# Altium PCB SEG_pressure gauge_don  V2.3.PcbDoc (part 1 of 4)
Units mil, origin at the board's own origin, x right, y up, seen from the top; angles counter-clockwise.
Board outline 2755.91 x 2755.91 mil, 2 copper layers (Top Layer, Bottom Layer); 36 components, 44 nets, 129 pads, 10 vias.
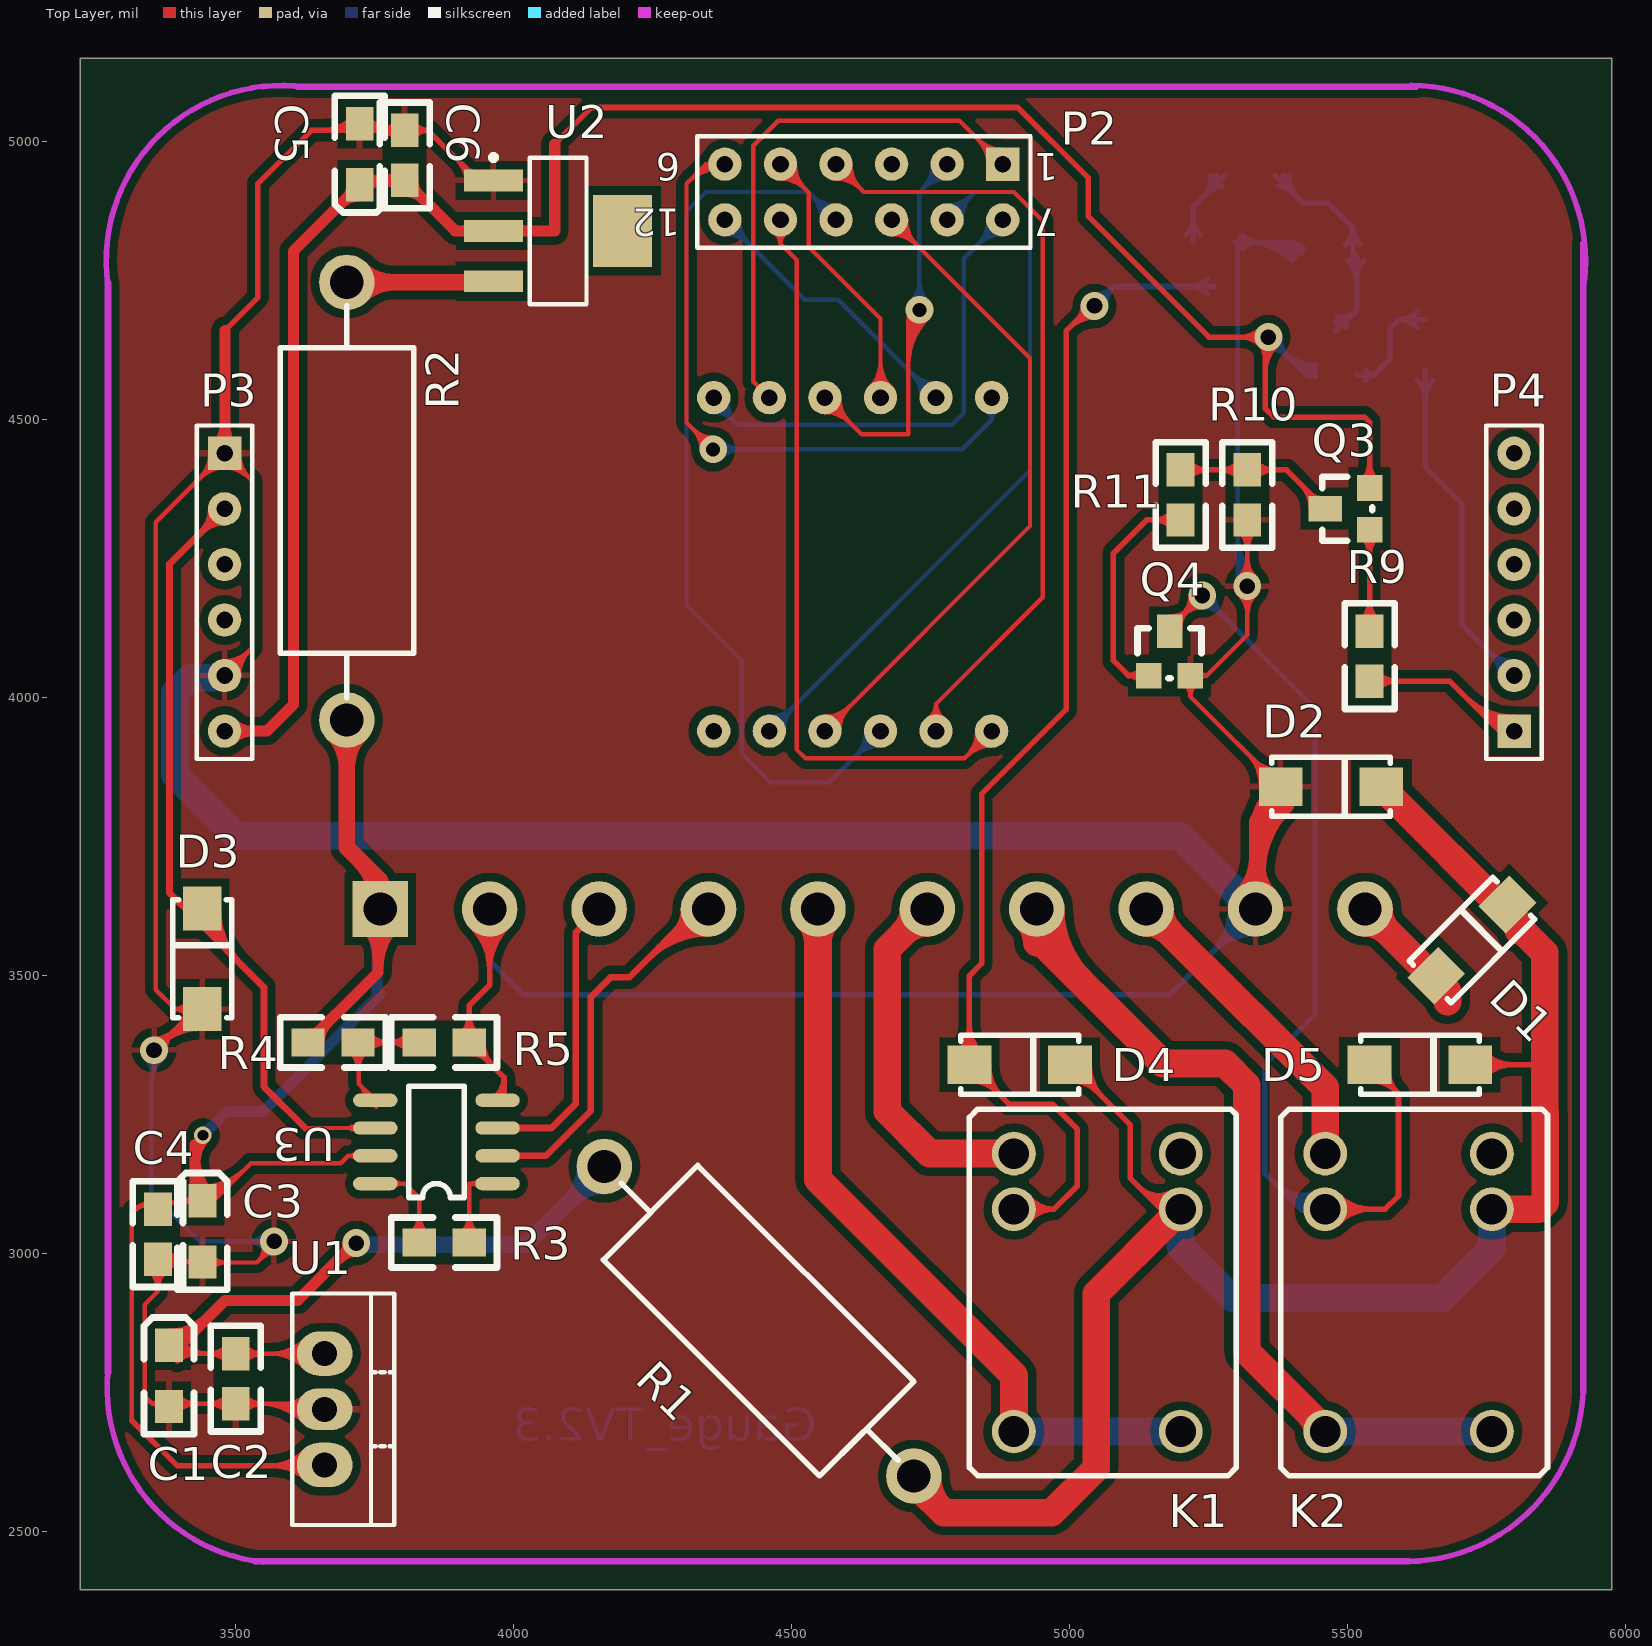
[diagram p0: Top Layer view]
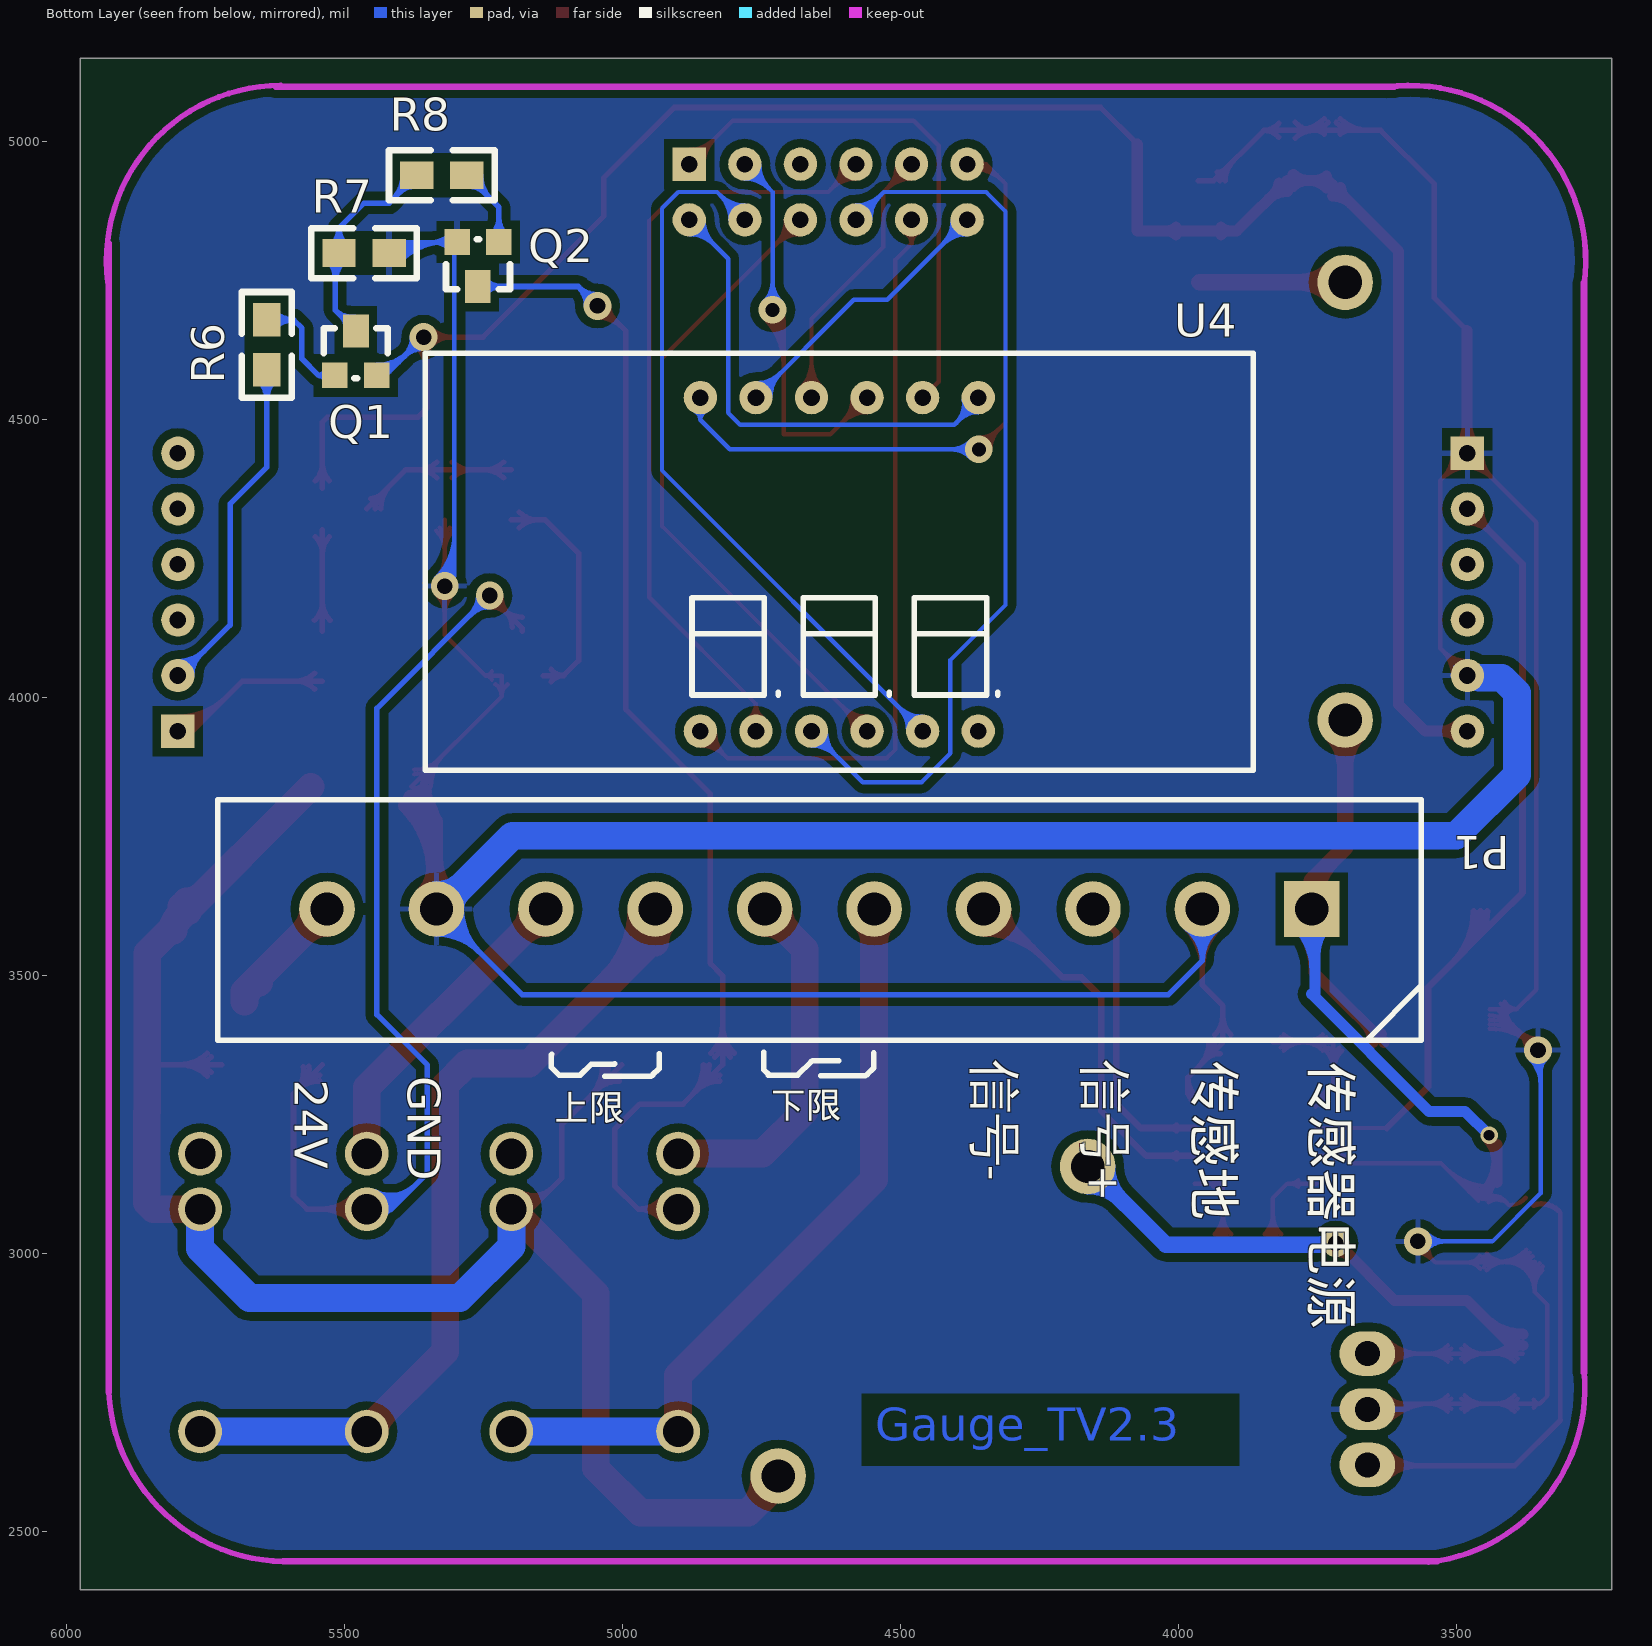
[diagram p1: Bottom Layer view, seen from below]
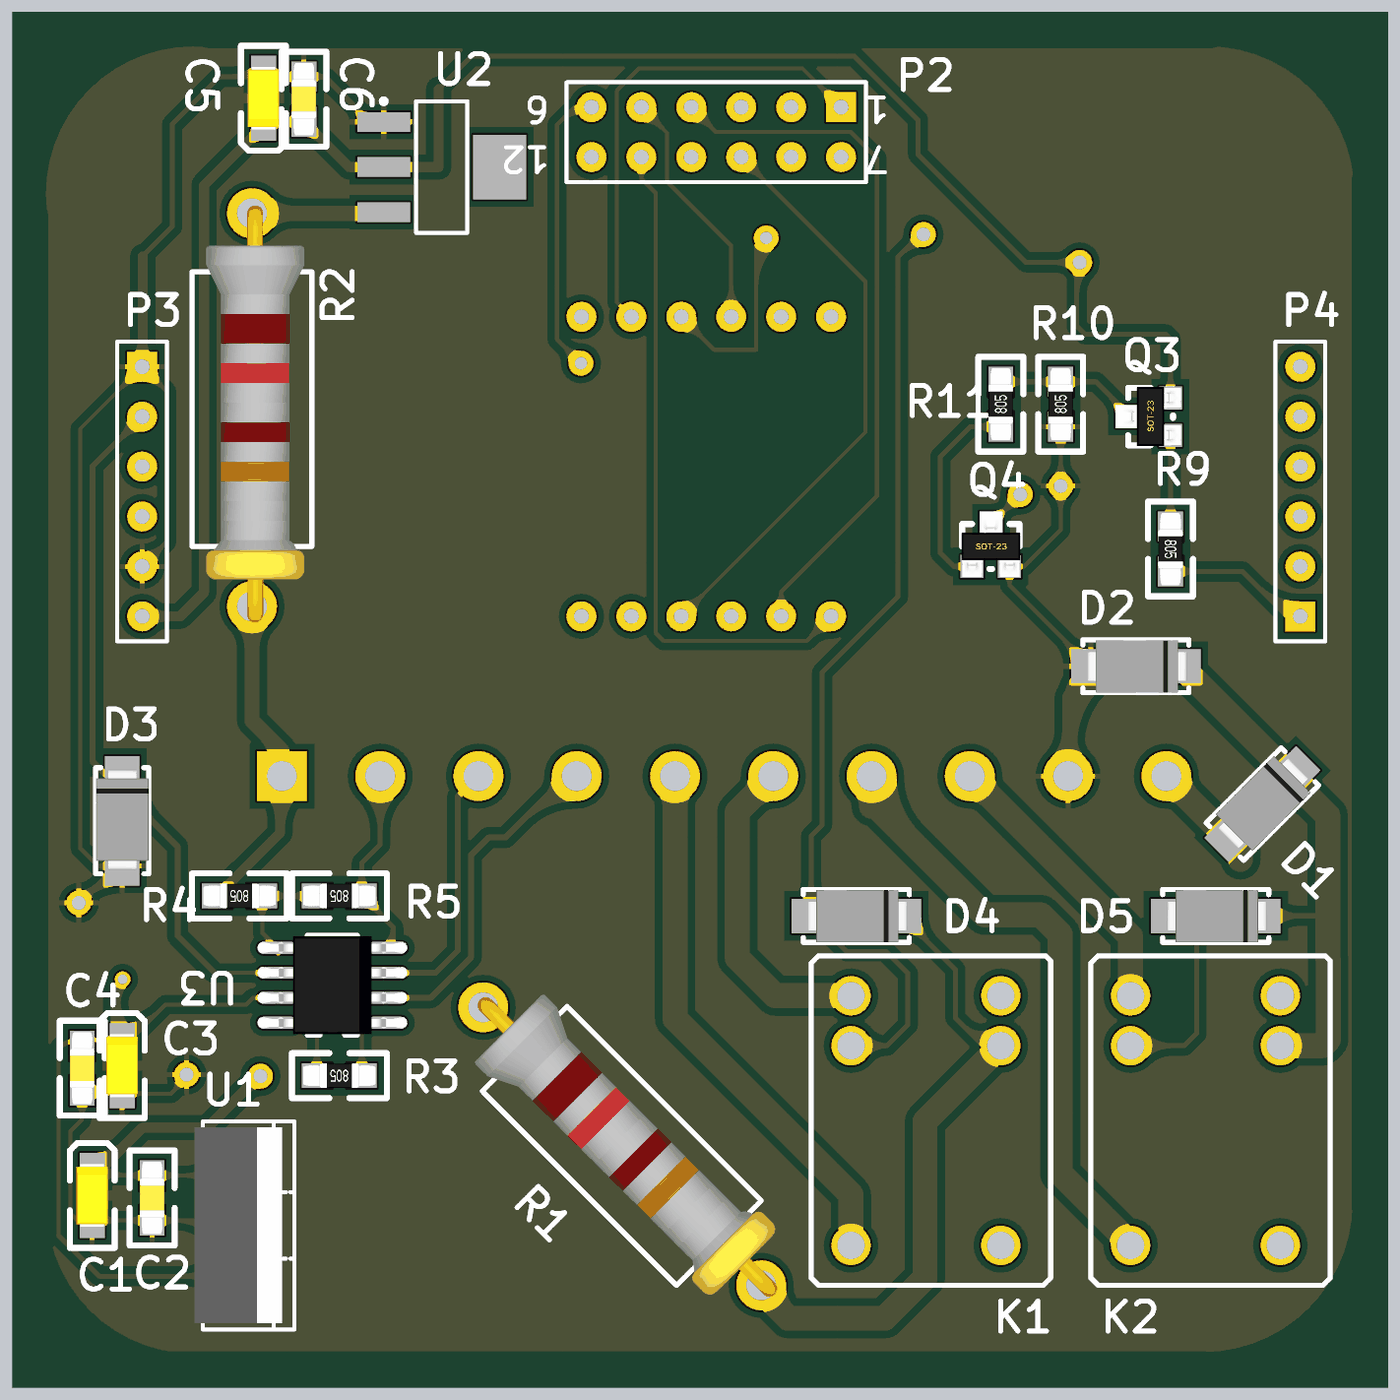
[diagram p5: 3D render of the assembled board from above, using the file's embedded part models]
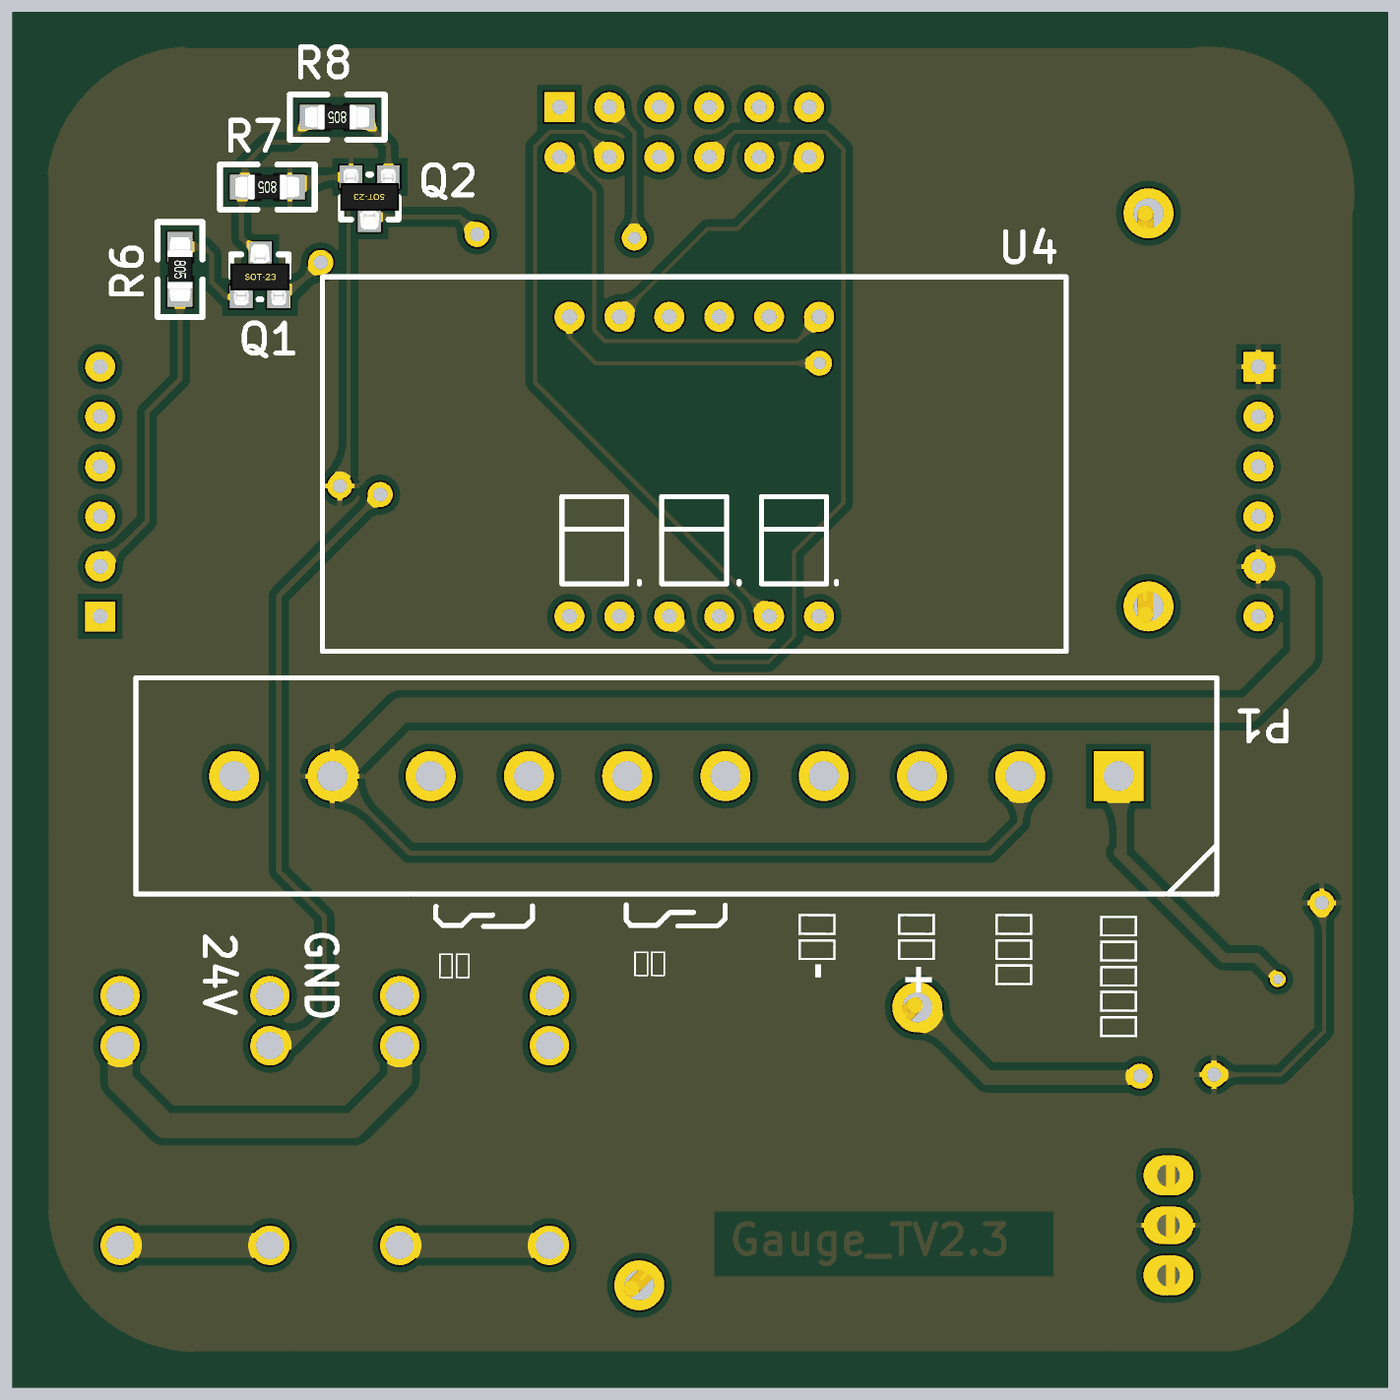
[diagram p6: 3D render of the assembled board from below, using the file's embedded part models]

## Layer stack, top to bottom
Top Layer: signal copper 1.4
Dielectric: core 12.6, FR-4, Dk 4.8
Bottom Layer: signal copper 1.4

## Board outline
3220,2395 5975.91,2395 5975.91,5150.91 3220,5150.91

## Design rules (kind name [scope] priority, off if disabled: settings)
Clearance [All] p1: gap=15
PolygonConnect [All] p1: connectstyle=Relief reliefconductorwidth=10 reliefentries=4 polygonreliefangle="90 Angle"
RoutingVias [All] p1: holewidth=25 width=50 viastyle="Through Hole" minholewidth=20 minwidth=50 maxholewidth=28 maxwidth=150
SilkscreenOverComponentPads [All] p1: minsilkscreentomaskgap=10
SolderMaskExpansion [All] p1: expansion=4
Width [All] p1: maxlimit=50 minlimit=6 preferedwidth=8
27 further rules are at their usual default settings.

## Components (designator, comment, footprint, x,y, rotation, side; value= is the part's Value field where it differs from the comment)
C1 "10uf" 3216 3380,2780 r90 top
C2 "100nf" 0805_C_Y 3500,2820 r270 top
C3 "10uf" 3216 3440,3040 r90 top
C4 "100nf" 0805_C_Y 3360,3080 r270 top
C5 "10uf" 3216 3723,4978 r270 top
C6 "100nf" 0805_C_Y 3804,4931 r90 top
D1 "Diode 1N4007" DO-214 5660,3500 r45 top
D2 "Diode 1N5402" DO-214 5380,3840 r0 top
D3 "Diode 1N5402" DO-214 3440,3440 r90 top
D4 "Diode 1N5402" DO-214 4820,3340 r0 top
D5 "Diode 1N5402" DO-214 5540,3340 r0 top
K1 "Relay" HK4100F-DC24V-SHG?? 4900,3180 r270 top
K2 "Relay" HK4100F-DC24V-SHG?? 5460,3180 r270 top
P1 "Header 10H" HDR1X10H 3760,3620 r0 bottom
P2 "Header 6X2*2.54" HDR2X6_CEN 4880,4960 r180 top locked
P3 "Header 6" HDR1X6 3480,4440 r270 top locked
P4 "Header 6" HDR1X6 5800,3940 r90 top locked
Q1 "8550" SOT-23_Y 5480,4620 r180 bottom
Q2 "S8050" SOT-23_Y 5260,4780 r0 bottom
Q3 "8550" SOT-23_Y 5500,4340 r90 top
Q4 "S8050" SOT-23_Y 5180,4080 r0 top
R1 "56/2W" "PCBComponent_1 - duplicate" 4720,2600 r135 top
R2 "56/2W" "PCBComponent_1 - duplicate" 3700,3960 r90 top
R3 "10k" 0805_R_Y 3920,3020 r180 top
R4 "10k" 0805_R_Y 3720,3380 r180 top
R5 "1k" 0805_R_Y 3920,3380 r180 top
R6 "470" 0805_R_Y 5640,4680 r270 bottom
R7 "10k" 0805_R_Y 5420,4800 r0 bottom
R8 "10k" 0805_R_Y 5280,4940 r0 bottom
R9 "470" 0805_R_Y 5540,4120 r270 top
R10 "10k" 0805_R_Y 5320,4320 r90 top
R11 "10k" 0805_R_Y 5200,4320 r90 top
U1 "MC7812CT" TO-220 3660,2720 r270 top
U2 "LM1117MP-3.3" MP04A_M 4080,4840 r0 top
U3 "AD620AR" SO-8_Y 3971,3126 r180 top
U4 "3位共阳极数码管" 3位数码管0.56 4860,3940 r180 bottom locked

## Footprints (in the part's own frame and the unit in brackets; to place one, negate y for a bottom-side part, rotate by r counter-clockwise, add the part's x,y. Pads: shape width x height; smd on the part's side, far side on the other; paste and mask are expansions set on the pad)
3位数码管0.56 [mil]
  round 60 hole 30: 1(0,600) 2(300,600) 3(400,600) 6(500,0) a(100,600) b(500,600) c(300,0) d(100,0) dot(200,0) e(0,0) f(200,600) g(400,0)
  silkscreen extent -495,-70 995,680
0805_C_Y [mil] "0805贴片电容（已加焊）"
  rect 60x50 smd: 1(0,0) 2(90,0)
  silkscreen extent -50,-45 140,45, body extent -27,-25 117,25, height 14
0805_R_Y [mil] "0805贴片电阻（已加焊）"
  rect 60x50 smd: 1(0,0) 2(90,0)
  silkscreen extent -50,-45 140,45, body extent -27,-25 117,25, height 14
3216 [mil]
  rect 60x50 smd: 1(55,0) 2(-55,0)
  silkscreen extent -105,-45 105,45, body extent -63,-31 63,31, height 63
DO-214 [mm]
  rect 2x1.75 smd: 1(0,0) 2(4.6,0)
  silkscreen extent -0.4,-1.35 5,1.35, body extent -1.07,-3.44 5.78,3.42, height 2.12
HDR1X6 [mil] "Connector; Header; 6 Position"
  rect 60x60 hole 30: 1(0,0)
  round 60 hole 30: 2(100,0) 3(200,0) 4(300,0) 5(400,0) 6(500,0)
  silkscreen extent -50,-50 550,50
HDR1X10H [mil] "Connector; Header; 10 Position; Right Angle"
  rect 100x100 hole 60: 1(0,0)
  round 100 hole 60: 2(196.85,0) 3(393.7,0) 4(590.55,0) 5(787.4,0) 6(984.25,0) 7(1181.1,0) 8(1377.95,0) 9(1574.8,0) 10(1771.65,0)
  silkscreen extent -197,-197 1969,236
HDR2X6_CEN [mil] "Connector; Header; 6x2 Position"
  rect 60x60 hole 30: 1(0,0)
  round 60 hole 30: 2(100,0) 3(200,0) 4(300,0) 5(400,0) 6(500,0) 7(0,100) 8(100,100) 9(200,100) 10(300,100) 11(400,100) 12(500,100)
  silkscreen extent -50,-50 550,150
HK4100F-DC24V-SHG?? [mm]
  round 2 hole 1.4: 1(12.7,7.62) 1(12.7,0) 2(0,7.62) 3(0,0) 4(2.54,7.62) 5(2.54,0)
  silkscreen extent -2.03,-2.03 14.73,10.16
MP04A_M [mm] "SOT223, 4-Leads, Body 6.5x3.5mm, Pitch 2.3mm, Lead Span 7mm, IPC Low Density"
  rect 2.7x1 smd: 1(-2.95,2.3) 2(-2.95,0) 3(-2.95,-2.3)
  rect 2.7x3.3 smd: 4(2.95,0)
  silkscreen extent -3.07,-3.35 1.3,3.47, body extent -1.85,-3.35 1.85,3.35, height 1.8
"PCBComponent_1 - duplicate" [mil]
  round 100 hole 60: 1(0,0) 2(787.4,0)
  silkscreen extent 40,-120 745,120, body extent -39,-435 817,421, height 208
SO-8_Y [mil] "AD780AR（已加焊）"
  oval 80x24 smd: 1(0,0) 2(0,-50) 3(0,-100) 4(0,-150) 5(220,-150) 6(220,-100) 7(220,-50) 8(220,0)
  silkscreen extent 60,-175 160,25, body extent -40,-174 260,23, height 69
SOT-23_Y [mil] "IMP809T（已加焊）"
  rect 46x46 smd: 1(-37.5,-40) 2(37.5,-40)
  rect 46x60 smd: 3(0.5,40)
  silkscreen extent -58,-45 58,45, body extent -60,-63 61,70, height 39
TO-220 [mil]
  oval 80x100 hole 45: 1(-100,0) 3(100,0)
  oval 75x100 hole 45: 2(0,0)
  silkscreen extent -208,-58 208,125, body extent -196,-75 196,100, height 730

## Part data
C1 C3 C5: library part "Cap Pol2", "Polarized Capacitor (Axial)"
C2 C4 C6: library part Cap, "Capacitor"
D1: "1 Amp General Purpose Rectifier"
D2 D3 D4 D5: "3 Amp General Purpose Rectifier"
K1 K2: "SPDT Relay"
P1: "Header, 10-Pin, Right Angle"
P2: library part "Header 6X2A", "Header, 6-Pin, Dual row"
P3 P4: "Header, 6-Pin"
Q1 Q3: library part 2N3906, "PNP General Purpose Amplifier"
Q2 Q4: library part 2N3904, "NPN General Purpose Amplifier"
R1 R2 R3 R4 R5 R6 R7 R8 R9 R10 R11: library part Res2, "Resistor"
U1: "Three-Terminal Positive Voltage Regulator"
U2: "800mA Low-Dropout Linear Regulator"
U3: "Low-Cost, Low-Power Instrumentation Amplifier"

## Via types
v1: diameter 50, hole 28, Top Layer to Bottom Layer, 7 vias
v2: diameter 50, hole 25, Top Layer to Bottom Layer, 2 vias
v3: diameter 31.5, hole 19.68, Top Layer to Bottom Layer, 1 vias

## Nets (pads, with @x,y where several pads share a name; then routed paths per layer and width w, separated by ;. In a path a pad name is that pad's centre, name@x,y a point inside that pad or via, vN(x,y) a via of type N, cw(c..) or ccw(c..) an arc to the next point about the centre after c; other vN are vias at no path point)
3.3V: C5.1 C6.1 P3.6 Q1.2 Q3.2 U2.2 | length 6969.2
  Top Layer w10: 4074,4996 4140,5062 4907,5062 5034,4935 5034,4866 5251,4649 v1@5352,4649 ; v1@5366,4649 v1(5358,4649) v1@5352,4649 ; Q3.2@5540,4377.5 5540,4496 5531,4505 5368,4505 5352,4521 v1@5352,4649 ; 5309.72,4649 cw(c5309.72,4600.72) v1@5343.86,4634.86 ; 5309.72,4649 ccw(c5309.72,4697.28) v1@5343.86,4663.14 ; 5309.72,4649 cw(c5309.72,4600.72) v1@5343.86,4634.86 ; 5309.72,4649 ccw(c5309.72,4697.28) v1@5343.86,4663.14 ; 5309.72,4649 ccw(c5309.72,4697.28) v1@5343.86,4663.14 ; 5309.72,4649 cw(c5309.72,4600.72) v1@5343.86,4634.86 ; v1@5343.86,4634.86 cw(c5324.2,4615.2) 5352,4615.2 ; v1@5343.86,4634.86 cw(c5324.2,4615.2) 5352,4615.2 ; v1@5343.86,4634.86 cw(c5324.2,4615.2) 5352,4615.2 ; 5352,4586.23 cw(c5420.77,4586.23) v1@5372.14,4634.86 ; 5352,4586.23 cw(c5420.77,4586.23) v1@5372.14,4634.86 ; 5352,4586.23 cw(c5420.77,4586.23) v1@5372.14,4634.86 ; 5352,4610.37 cw(c5396.63,4610.37) v1@5365.07,4641.93 ; 5352,4610.37 cw(c5396.63,4610.37) v1@5365.07,4641.93 ; 5352,4610.37 cw(c5396.63,4610.37) v1@5365.07,4641.93 ; Q3.2@5527.27,4390.23 ccw(c5496.54,4420.96) 5540,4420.96 ; Q3.2@5527.27,4390.23 ccw(c5496.54,4420.96) 5540,4420.96 ; Q3.2@5527.27,4390.23 ccw(c5496.54,4420.96) 5540,4420.96 ; 5540,4420.96 ccw(c5583.46,4420.96) Q3.2@5552.73,4390.23 ; 5540,4420.96 ccw(c5583.46,4420.96) Q3.2@5552.73,4390.23 ; 5540,4420.96 ccw(c5583.46,4420.96) Q3.2@5552.73,4390.23
  Top Layer w20: P3.6@3480,3940 3556,3940 3604,3988 3604,4804 C5.1@3723,4923 3731,4931 C6.1@3804,4931 3895,4840 U2.2@3963.86,4840 4074,4840 4074,4996 ; P3.6@3494.14,3925.86 cw(c3528.28,3891.72) 3528.28,3940 ; P3.6@3494.14,3925.86 cw(c3528.28,3891.72) 3528.28,3940 ; P3.6@3494.14,3925.86 cw(c3528.28,3891.72) 3528.28,3940 ; P3.6@3494.14,3925.86 cw(c3528.28,3891.72) 3528.28,3940 ; P3.6@3494.14,3925.86 cw(c3528.28,3891.72) 3528.28,3940 ; P3.6@3494.14,3954.14 ccw(c3528.28,3988.28) 3528.28,3940 ; P3.6@3494.14,3954.14 ccw(c3528.28,3988.28) 3528.28,3940 ; P3.6@3494.14,3954.14 ccw(c3528.28,3988.28) 3528.28,3940 ; P3.6@3494.14,3954.14 ccw(c3528.28,3988.28) 3528.28,3940 ; P3.6@3494.14,3954.14 ccw(c3528.28,3988.28) 3528.28,3940 ; 3688.86,4888.86 cw(c3723,4854.72) C5.1@3723,4903 ; 3688.86,4888.86 cw(c3723,4854.72) C5.1@3723,4903 ; 3688.86,4888.86 cw(c3723,4854.72) C5.1@3723,4903 ; 3688.86,4888.86 cw(c3723,4854.72) C5.1@3723,4903 ; 3688.86,4888.86 cw(c3723,4854.72) C5.1@3723,4903 ; C5.1@3700.93,4900.93 ccw(c3683.86,4918) C5.1@3708,4918 ; C5.1@3700.93,4900.93 ccw(c3683.86,4918) C5.1@3708,4918 ; C5.1@3700.93,4900.93 ccw(c3683.86,4918) C5.1@3708,4918 ; C5.1@3700.93,4900.93 ccw(c3683.86,4918) C5.1@3708,4918 ; C5.1@3700.93,4900.93 ccw(c3683.86,4918) C5.1@3708,4918 ; C5.1@3733.61,4917.39 cw(c3766.46,4884.54) 3766.46,4931 ; C5.1@3733.61,4917.39 cw(c3766.46,4884.54) 3766.46,4931 ; C5.1@3733.61,4917.39 cw(c3766.46,4884.54) 3766.46,4931 ; C5.1@3733.61,4917.39 cw(c3766.46,4884.54) 3766.46,4931 ; C5.1@3733.61,4917.39 cw(c3766.46,4884.54) 3766.46,4931 ; C5.1@3733.61,4938.61 ccw(c3751.97,4956.97) 3751.97,4931 ; C5.1@3733.61,4938.61 ccw(c3751.97,4956.97) 3751.97,4931 ; C5.1@3733.61,4938.61 ccw(c3751.97,4956.97) 3751.97,4931 ; C5.1@3733.61,4938.61 ccw(c3751.97,4956.97) 3751.97,4931 ; C5.1@3733.61,4938.61 ccw(c3751.97,4956.97) 3751.97,4931 ; 3767.79,4931 cw(c3767.79,4894.79) C6.1@3793.39,4920.39 ; 3767.79,4931 ccw(c3767.79,4967.21) C6.1@3793.39,4941.61 ; 3767.79,4931 cw(c3767.79,4894.79) C6.1@3793.39,4920.39 ; 3767.79,4931 ccw(c3767.79,4967.21) C6.1@3793.39,4941.61 ; 3767.79,4931 cw(c3767.79,4894.79) C6.1@3793.39,4920.39 ; 3767.79,4931 ccw(c3767.79,4967.21) C6.1@3793.39,4941.61 ; 3767.79,4931 ccw(c3767.79,4967.21) C6.1@3793.39,4941.61 ; 3767.79,4931 cw(c3767.79,4894.79) C6.1@3793.39,4920.39 ; 3767.79,4931 ccw(c3767.79,4967.21) C6.1@3793.39,4941.61 ; 3767.79,4931 cw(c3767.79,4894.79) C6.1@3793.39,4920.39 ; C6.1@3804,4911 cw(c3804,4862.72) 3838.14,4896.86 ; C6.1@3804,4911 cw(c3804,4862.72) 3838.14,4896.86 ; C6.1@3804,4911 cw(c3804,4862.72) 3838.14,4896.86 ; C6.1@3804,4911 cw(c3804,4862.72) 3838.14,4896.86 ; C6.1@3804,4911 cw(c3804,4862.72) 3838.14,4896.86 ; C6.1@3819,4926 ccw(c3843.14,4926) C6.1@3826.07,4908.93 ; C6.1@3819,4926 ccw(c3843.14,4926) C6.1@3826.07,4908.93 ; C6.1@3819,4926 ccw(c3843.14,4926) C6.1@3826.07,4908.93 ; C6.1@3819,4926 ccw(c3843.14,4926) C6.1@3826.07,4908.93 ; C6.1@3819,4926 ccw(c3843.14,4926) C6.1@3826.07,4908.93 ; 3907.01,4840 cw(c3907.01,4816.62) U2.2@3923.55,4833.15 ; 3907.01,4840 ccw(c3907.01,4863.38) U2.2@3923.55,4846.85 ; 3907.01,4840 cw(c3907.01,4816.62) U2.2@3923.55,4833.15 ; 3907.01,4840 ccw(c3907.01,4863.38) U2.2@3923.55,4846.85 ; 3907.01,4840 cw(c3907.01,4816.62) U2.2@3923.55,4833.15 ; 3907.01,4840 ccw(c3907.01,4863.38) U2.2@3923.55,4846.85 ; 3907.01,4840 ccw(c3907.01,4863.38) U2.2@3923.55,4846.85 ; 3907.01,4840 cw(c3907.01,4816.62) U2.2@3923.55,4833.15 ; 3907.01,4840 ccw(c3907.01,4863.38) U2.2@3923.55,4846.85 ; 3907.01,4840 cw(c3907.01,4816.62) U2.2@3923.55,4833.15 ; U2.2@4004.17,4833.15 cw(c4020.7,4816.62) 4020.7,4840 ; U2.2@4004.17,4833.15 cw(c4020.7,4816.62) 4020.7,4840 ; U2.2@4004.17,4833.15 cw(c4020.7,4816.62) 4020.7,4840 ; U2.2@4004.17,4846.85 ccw(c4020.7,4863.38) 4020.7,4840 ; U2.2@4004.17,4846.85 ccw(c4020.7,4863.38) 4020.7,4840 ; U2.2@4004.17,4846.85 ccw(c4020.7,4863.38) 4020.7,4840
  Bottom Layer w10: v1(5358,4649) 5427,4580 Q1.2@5442.5,4580 ; v1@5358,4629 cw(c5358,4580.72) 5392.14,4614.86 ; v1@5358,4629 cw(c5358,4580.72) 5392.14,4614.86 ; v1@5358,4629 cw(c5358,4580.72) 5392.14,4614.86 ; v1@5378,4649 ccw(c5426.28,4649) 5392.14,4614.86 ; v1@5378,4649 ccw(c5426.28,4649) 5392.14,4614.86 ; v1@5378,4649 ccw(c5426.28,4649) 5392.14,4614.86 ; 5385.31,4621.69 ccw(c5442.5,4678.88) Q1.2@5442.5,4598 ; 5385.31,4621.69 ccw(c5442.5,4678.88) Q1.2@5442.5,4598 ; 5385.31,4621.69 ccw(c5442.5,4678.88) Q1.2@5442.5,4598 ; 5402.38,4604.62 ccw(c5442.5,4644.73) Q1.2@5442.5,4588 ; 5402.38,4604.62 ccw(c5442.5,4644.73) Q1.2@5442.5,4588 ; 5402.38,4604.62 ccw(c5442.5,4644.73) Q1.2@5442.5,4588 ; 5419.45,4587.55 ccw(c5442.5,4610.59) Q1.2@5442.5,4578 ; 5419.45,4587.55 ccw(c5442.5,4610.59) Q1.2@5442.5,4578 ; 5419.45,4587.55 ccw(c5442.5,4610.59) Q1.2@5442.5,4578
12V: C3.1 C4.1 P1.1 R2.1 R4.2 U1.3 U3.7 | length 7602.6
  Top Layer w8: 3313,2700 3313,3074 ; C4.1@3374.87,3100.76 ccw(c3405,3126.88) 3405,3087 3413,3095 ccw(c3413,3137.09) C3.1@3444.36,3109.01 ; 3427,3196 v3@3438,3207 ; 3429.5,3125.5 cw(c3406.44,3102.43) C3.1@3439.02,3100.95 ; C3.1@3460,3095 3527.5,3162.5 3689,3162.5 3702.5,3176 U3.7@3751,3176 ; 3408.25,3090.25 cw(c3426.25,3072.26) C3.1@3441.84,3092.37 ; 3408.25,3090.25 cw(c3426.25,3072.26) C3.1@3441.84,3092.37 ; 3408.25,3090.25 cw(c3426.25,3072.26) C3.1@3441.84,3092.37 ; 3414.67,3096.67 cw(c3431.85,3079.49) C3.1@3446.74,3098.69 ; 3414.67,3096.67 cw(c3431.85,3079.49) C3.1@3446.74,3098.69 ; 3414.67,3096.67 cw(c3431.85,3079.49) C3.1@3446.74,3098.69 ; C3.1@3440,3097 ccw(c3440,3150.11) 3477.56,3112.56 ; C3.1@3440,3097 ccw(c3440,3150.11) 3477.56,3112.56 ; C3.1@3440,3097 ccw(c3440,3150.11) 3477.56,3112.56 ; C3.1@3440,3105 ccw(c3440,3177.43) 3491.21,3126.21 ; C3.1@3440,3105 ccw(c3440,3177.43) 3491.21,3126.21 ; C3.1@3440,3105 ccw(c3440,3177.43) 3491.21,3126.21 ; C3.1@3440,3113 ccw(c3440,3204.74) 3504.87,3139.87 ; C3.1@3440,3113 ccw(c3440,3204.74) 3504.87,3139.87 ; C3.1@3440,3113 ccw(c3440,3204.74) 3504.87,3139.87 ; C3.1@3440,3121 ccw(c3440,3232.05) 3518.53,3153.53 ; C3.1@3440,3121 ccw(c3440,3232.05) 3518.53,3153.53 ; C3.1@3440,3121 ccw(c3440,3232.05) 3518.53,3153.53 ; 3703.69,3176 cw(c3703.69,3156.69) U3.7@3717.34,3170.34 ; 3703.69,3176 ccw(c3703.69,3195.31) U3.7@3717.34,3181.66 ; 3703.69,3176 cw(c3703.69,3156.69) U3.7@3717.34,3170.34 ; 3703.69,3176 ccw(c3703.69,3195.31) U3.7@3717.34,3181.66 ; 3703.69,3176 cw(c3703.69,3156.69) U3.7@3717.34,3170.34 ; 3703.69,3176 ccw(c3703.69,3195.31) U3.7@3717.34,3181.66 ; 3703.69,3176 ccw(c3703.69,3195.31) U3.7@3717.34,3181.66 ; 3703.69,3176 cw(c3703.69,3156.69) U3.7@3717.34,3170.34 ; 3703.69,3176 ccw(c3703.69,3195.31) U3.7@3717.34,3181.66 ; 3703.69,3176 cw(c3703.69,3156.69) U3.7@3717.34,3170.34
  Top Layer w10: 3313,2700 3395,2618 U1.3@3660,2618 ; 3315.97,3076.97 cw(c3345.91,3047.04) C4.1@3360.75,3086.68 ; 3560.67,2618 ccw(c3560.67,2709.33) U1.3@3625.25,2644.75 ; 3560.67,2618 ccw(c3560.67,2709.33) U1.3@3625.25,2644.75 ; 3560.67,2618 ccw(c3560.67,2709.33) U1.3@3625.25,2644.75 ; 3570.33,2618 cw(c3570.33,2540.33) U1.3@3625.25,2595.25 ; 3570.33,2618 cw(c3570.33,2540.33) U1.3@3625.25,2595.25 ; 3570.33,2618 cw(c3570.33,2540.33) U1.3@3625.25,2595.25 ; 3584.82,2618 ccw(c3584.82,2685.18) U1.3@3632.32,2637.68 ; 3584.82,2618 ccw(c3584.82,2685.18) U1.3@3632.32,2637.68 ; 3584.82,2618 ccw(c3584.82,2685.18) U1.3@3632.32,2637.68 ; 3594.47,2618 cw(c3594.47,2564.47) U1.3@3632.32,2602.32 ; 3594.47,2618 cw(c3594.47,2564.47) U1.3@3632.32,2602.32 ; 3594.47,2618 cw(c3594.47,2564.47) U1.3@3632.32,2602.32 ; 3608.96,2618 ccw(c3608.96,2661.04) U1.3@3639.39,2630.61 ; 3608.96,2618 ccw(c3608.96,2661.04) U1.3@3639.39,2630.61 ; 3608.96,2618 ccw(c3608.96,2661.04) U1.3@3639.39,2630.61
  Top Layer w20: 3427,3128 3427,3196 ; R4.2@3630,3380 3630,3380.36 3679.64,3430 3680,3430 3756,3506 P1.1@3756,3617 ; 3427,3165.32 cw(c3488.68,3165.32) v3@3445.06,3208.94 ; 3427,3165.32 cw(c3488.68,3165.32) v3@3445.06,3208.94 ; 3427,3165.32 cw(c3488.68,3165.32) v3@3445.06,3208.94 ; 3427,3167.6 ccw(c3507.6,3167.6) C3.1@3450.61,3110.61 ; 3427,3167.6 ccw(c3507.6,3167.6) C3.1@3450.61,3110.61 ; 3427,3167.6 ccw(c3507.6,3167.6) C3.1@3450.61,3110.61 ; R4.2@3635,3395 ccw(c3635,3418.28) R4.2@3651.46,3401.82 ; R4.2@3635,3395 ccw(c3635,3418.28) R4.2@3651.46,3401.82 ; R4.2@3635,3395 ccw(c3635,3418.28) R4.2@3651.46,3401.82 ; R4.2@3635,3395 ccw(c3635,3418.28) R4.2@3651.46,3401.82 ; R4.2@3650,3380 cw(c3699.14,3380) 3664.39,3414.75 ; R4.2@3650,3380 cw(c3699.14,3380) 3664.39,3414.75 ; R4.2@3650,3380 cw(c3699.14,3380) 3664.39,3414.75 ; R4.2@3650,3380 cw(c3699.14,3380) 3664.39,3414.75 ; P1.1@3731.72,3591.72 cw(c3673.09,3533.09) 3756,3533.09 ; P1.1@3731.72,3591.72 cw(c3673.09,3533.09) 3756,3533.09 ; P1.1@3731.72,3591.72 cw(c3673.09,3533.09) 3756,3533.09 ; P1.1@3731.72,3591.72 cw(c3673.09,3533.09) 3756,3533.09 ; 3756,3513.77 cw(c3866.23,3513.77) P1.1@3788.28,3591.72 ; 3756,3513.77 cw(c3866.23,3513.77) P1.1@3788.28,3591.72 ; 3756,3513.77 cw(c3866.23,3513.77) P1.1@3788.28,3591.72 ; 3756,3513.77 cw(c3866.23,3513.77) P1.1@3788.28,3591.72 ; 3756,3562.06 cw(c3817.94,3562.06) P1.1@3774.14,3605.86 ; 3756,3562.06 cw(c3817.94,3562.06) P1.1@3774.14,3605.86 ; 3756,3562.06 cw(c3817.94,3562.06) P1.1@3774.14,3605.86 ; 3756,3562.06 cw(c3817.94,3562.06) P1.1@3774.14,3605.86
  Top Layer w30: R2.1@3700,3960 3700,3731 3760,3671 P1.1@3760,3620 ; R2.1@3675.25,3935.25 cw(c3615.5,3875.5) 3700,3875.5 ; R2.1@3675.25,3935.25 cw(c3615.5,3875.5) 3700,3875.5 ; R2.1@3675.25,3935.25 cw(c3615.5,3875.5) 3700,3875.5 ; R2.1@3675.25,3935.25 cw(c3615.5,3875.5) 3700,3875.5 ; R2.1@3675.25,3935.25 cw(c3615.5,3875.5) 3700,3875.5 ; 3700,3875.5 cw(c3784.5,3875.5) R2.1@3724.75,3935.25 ; 3700,3875.5 cw(c3784.5,3875.5) R2.1@3724.75,3935.25 ; 3700,3875.5 cw(c3784.5,3875.5) R2.1@3724.75,3935.25 ; 3700,3875.5 cw(c3784.5,3875.5) R2.1@3724.75,3935.25 ; 3700,3875.5 cw(c3784.5,3875.5) R2.1@3724.75,3935.25 ; 3721.36,3709.64 cw(c3639.55,3627.82) P1.1@3755.01,3620.32 ; 3721.36,3709.64 cw(c3639.55,3627.82) P1.1@3755.01,3620.32 ; 3721.36,3709.64 cw(c3639.55,3627.82) P1.1@3755.01,3620.32 ; 3721.36,3709.64 cw(c3639.55,3627.82) P1.1@3755.01,3620.32 ; 3721.36,3709.64 cw(c3639.55,3627.82) P1.1@3755.01,3620.32
  Bottom Layer w20: v3(3441,3213) 3484,3256 3544,3256 ; 3549,3256 3760,3467 ; 3754,3466 P1.1@3754,3614 ; P1.1@3731.72,3591.72 cw(c3677.92,3537.92) 3754,3537.92 ; P1.1@3731.72,3591.72 cw(c3677.92,3537.92) 3754,3537.92 ; P1.1@3731.72,3591.72 cw(c3677.92,3537.92) 3754,3537.92 ; 3754,3508.95 cw(c3871.05,3508.95) P1.1@3788.28,3591.72 ; 3754,3508.95 cw(c3871.05,3508.95) P1.1@3788.28,3591.72 ; 3754,3508.95 cw(c3871.05,3508.95) P1.1@3788.28,3591.72 ; 3754,3557.23 cw(c3822.77,3557.23) P1.1@3774.14,3605.86 ; 3754,3557.23 cw(c3822.77,3557.23) P1.1@3774.14,3605.86 ; 3754,3557.23 cw(c3822.77,3557.23) P1.1@3774.14,3605.86
24V: D1.2 D2.2 D4.2 D5.2 K1.4 K2.4 R1.1 | length 5515.9
  Top Layer w10: D4.2@5001.1,3340 5109,3232.1 5109,3136 5182.5,3062.5 K1.4@5200,3080 ; D5.2@5721.1,3340 5843,3340 5855,3328 ; D4.2@5006.02,3310.55 cw(c5006.02,3251.34) 5047.89,3293.21 ; D4.2@5006.02,3310.55 cw(c5006.02,3251.34) 5047.89,3293.21 ; D4.2@5006.02,3310.55 cw(c5006.02,3251.34) 5047.89,3293.21 ; D4.2@5006.02,3320.55 cw(c5006.02,3285.48) D4.2@5030.82,3310.28 ; D4.2@5006.02,3320.55 cw(c5006.02,3285.48) D4.2@5030.82,3310.28 ; D4.2@5006.02,3320.55 cw(c5006.02,3285.48) D4.2@5030.82,3310.28 ; D4.2@5025.47,3340 ccw(c5084.31,3340) 5042.7,3298.4 ; D4.2@5025.47,3340 ccw(c5084.31,3340) 5042.7,3298.4 ; D4.2@5025.47,3340 ccw(c5084.31,3340) 5042.7,3298.4 ; D4.2@5035.47,3340 ccw(c5118.45,3340) 5059.78,3281.33 ; D4.2@5035.47,3340 ccw(c5118.45,3340) 5059.78,3281.33 ; D4.2@5035.47,3340 ccw(c5118.45,3340) 5059.78,3281.33 ; 5126.5,3118.5 ccw(c5160.61,3152.6) K1.4@5183.61,3110.21 ; 5126.5,3118.5 ccw(c5160.61,3152.6) K1.4@5183.61,3110.21 ; 5126.5,3118.5 ccw(c5160.61,3152.6) K1.4@5183.61,3110.21 ; 5135.97,3109.03 ccw(c5167.27,3140.32) K1.4@5188.38,3101.42 ; 5135.97,3109.03 ccw(c5167.27,3140.32) K1.4@5188.38,3101.42 ; 5135.97,3109.03 ccw(c5167.27,3140.32) K1.4@5188.38,3101.42 ; 5145.45,3099.55 ccw(c5173.93,3128.04) K1.4@5193.15,3092.63 ; 5145.45,3099.55 ccw(c5173.93,3128.04) K1.4@5193.15,3092.63 ; 5145.45,3099.55 ccw(c5173.93,3128.04) K1.4@5193.15,3092.63 ; 5154.92,3090.08 ccw(c5180.6,3115.76) K1.4@5197.92,3083.84 ; 5154.92,3090.08 ccw(c5180.6,3115.76) K1.4@5197.92,3083.84 ; 5154.92,3090.08 ccw(c5180.6,3115.76) K1.4@5197.92,3083.84 ; D5.2@5739.78,3326.25 cw(c5772.98,3293.05) 5772.98,3340 ; D5.2@5739.78,3326.25 cw(c5772.98,3293.05) 5772.98,3340 ; D5.2@5739.78,3326.25 cw(c5772.98,3293.05) 5772.98,3340 ; D5.2@5739.78,3353.75 ccw(c5772.98,3386.95) 5772.98,3340 ; D5.2@5739.78,3353.75 ccw(c5772.98,3386.95) 5772.98,3340 ; D5.2@5739.78,3353.75 ccw(c5772.98,3386.95) 5772.98,3340 ; D5.2@5746.85,3319.18 cw(c5797.12,3268.9) 5797.12,3340 ; D5.2@5746.85,3319.18 cw(c5797.12,3268.9) 5797.12,3340 ; D5.2@5746.85,3319.18 cw(c5797.12,3268.9) 5797.12,3340 ; D5.2@5746.85,3360.82 ccw(c5797.12,3411.1) 5797.12,3340 ; D5.2@5746.85,3360.82 ccw(c5797.12,3411.1) 5797.12,3340 ; D5.2@5746.85,3360.82 ccw(c5797.12,3411.1) 5797.12,3340
  Top Layer w50: R1.1@4734,2574 4774,2534 4968,2534 5048,2614 5048,2928 K1.4@5182.5,3062.5 ; D2.2@5561.1,3840 5808.06,3593.04 5808.06,3588.06 5855,3541.12 5855,3328 5855,3255 5856,3254 5856,3092 5844,3080 K2.4@5760,3080 ; 5754.7,3646.4 ccw(c5784.58,3676.29) D1.2@5784.58,3634.03 ; 5754.7,3646.4 ccw(c5784.58,3676.29) D1.2@5784.58,3634.03 ; 5754.7,3646.4 ccw(c5784.58,3676.29) D1.2@5784.58,3634.03 ; D1.2@5782.03,3615.48 cw(c5772.42,3581.16) 5808.06,3581.16 ; D1.2@5782.03,3615.48 cw(c5772.42,3581.16) 5808.06,3581.16 ; D1.2@5782.03,3615.48 cw(c5772.42,3581.16) 5808.06,3581.16 ; D1.2@5782.92,3615.28 cw(c5777.57,3585.26) 5808.06,3585.26 ; D1.2@5782.92,3615.28 cw(c5777.57,3585.26) 5808.06,3585.26 ; D1.2@5782.92,3615.28 cw(c5777.57,3585.26) 5808.06,3585.26 ; D1.2@5794.03,3624.58 ccw(c5848.32,3624.58) 5809.93,3586.19 ; D1.2@5794.03,3624.58 ccw(c5848.32,3624.58) 5809.93,3586.19 ; D1.2@5794.03,3624.58 ccw(c5848.32,3624.58) 5809.93,3586.19 ; R1.1@4744.98,2598.97 ccw(c4823.73,2595.73) 4768,2540 cw(c4823.73,2595.73) R1.1@4744.98,2598.97
  Bottom Layer w50: K1.4@5200,3080 5200,3013 5293,2920 5671,2920 5760,3009 K2.4@5760,3080
24VIN: D1.1 P1.10 | length 644.6
  Top Layer w50: P1.10@5531.65,3620 5680,3471.65 5680,3460 ; P1.10@5531.65,3595 cw(c5531.65,3534.64) 5574.33,3577.32 ; P1.10@5531.65,3595 cw(c5531.65,3534.64) 5574.33,3577.32 ; P1.10@5531.65,3595 cw(c5531.65,3534.64) 5574.33,3577.32 ; P1.10@5556.65,3620 ccw(c5617.01,3620) 5574.33,3577.32 ; P1.10@5556.65,3620 ccw(c5617.01,3620) 5574.33,3577.32 ; P1.10@5556.65,3620 ccw(c5617.01,3620) 5574.33,3577.32 ; D1.1@5653.97,3487.42 cw(c5644.36,3453.1) 5680,3453.1 ; D1.1@5653.97,3487.42 cw(c5644.36,3453.1) 5680,3453.1 ; D1.1@5653.97,3487.42 cw(c5644.36,3453.1) 5680,3453.1
AD0: D3.2 P3.2 U3.6 | length 3224
  Top Layer w8: 3625,3226 U3.6@3751,3226 ; 3703.69,3226 cw(c3703.69,3206.69) U3.6@3717.34,3220.34 ; 3703.69,3226 ccw(c3703.69,3245.31) U3.6@3717.34,3231.66 ; 3703.69,3226 cw(c3703.69,3206.69) U3.6@3717.34,3220.34 ; 3703.69,3226 ccw(c3703.69,3245.31) U3.6@3717.34,3231.66 ; 3703.69,3226 cw(c3703.69,3206.69) U3.6@3717.34,3220.34 ; 3703.69,3226 ccw(c3703.69,3245.31) U3.6@3717.34,3231.66 ; 3703.69,3226 ccw(c3703.69,3245.31) U3.6@3717.34,3231.66 ; 3703.69,3226 cw(c3703.69,3206.69) U3.6@3717.34,3220.34 ; 3703.69,3226 ccw(c3703.69,3245.31) U3.6@3717.34,3231.66 ; 3703.69,3226 cw(c3703.69,3206.69) U3.6@3717.34,3220.34
  Top Layer w12: P3.2@3480,4340 3381,4241 3381,3649 3424.45,3605.55 3551,3479 3551,3300 3625,3226 ; U3.6@3718.76,3221.76 ccw(c3708.51,3211.51) 3708.51,3226 ccw(c3708.51,3240.49) U3.6@3718.76,3230.24 ; 3439.03,4299.03 cw(c3480,4258.06) P3.2@3480,4316 ; 3439.03,4299.03 ccw(c3398.06,4340) P3.2@3456,4340 ; 3439.03,4299.03 cw(c3480,4258.06) P3.2@3480,4316 ; 3439.03,4299.03 ccw(c3398.06,4340) P3.2@3456,4340 ; 3439.03,4299.03 cw(c3480,4258.06) P3.2@3480,4316 ; 3439.03,4299.03 ccw(c3398.06,4340) P3.2@3456,4340 ; 3439.03,4299.03 ccw(c3398.06,4340) P3.2@3456,4340 ; 3439.03,4299.03 cw(c3480,4258.06) P3.2@3480,4316 ; 3439.03,4299.03 ccw(c3398.06,4340) P3.2@3456,4340 ; 3439.03,4299.03 cw(c3480,4258.06) P3.2@3480,4316 ; D3.2@3444.45,3616.18 ccw(c3518.39,3616.18) 3466.11,3563.9 ; D3.2@3444.45,3616.18 ccw(c3518.39,3616.18) 3466.11,3563.9 ; D3.2@3444.45,3616.18 ccw(c3518.39,3616.18) 3466.11,3563.9 ; D3.2@3444.45,3616.18 ccw(c3518.39,3616.18) 3466.11,3563.9 ; D3.2@3444.45,3616.18 ccw(c3518.39,3616.18) 3466.11,3563.9 ; D3.2@3456.45,3616.18 ccw(c3559.36,3616.18) 3486.59,3543.41 ; D3.2@3456.45,3616.18 ccw(c3559.36,3616.18) 3486.59,3543.41 ; D3.2@3456.45,3616.18 ccw(c3559.36,3616.18) 3486.59,3543.41 ; D3.2@3456.45,3616.18 ccw(c3559.36,3616.18) 3486.59,3543.41 ; D3.2@3456.45,3616.18 ccw(c3559.36,3616.18) 3486.59,3543.41 ; D3.2@3468.45,3616.18 ccw(c3600.33,3616.18) 3507.08,3522.93 ; D3.2@3468.45,3616.18 ccw(c3600.33,3616.18) 3507.08,3522.93 ; D3.2@3468.45,3616.18 ccw(c3600.33,3616.18) 3507.08,3522.93 ; D3.2@3468.45,3616.18 ccw(c3600.33,3616.18) 3507.08,3522.93 ; D3.2@3468.45,3616.18 ccw(c3600.33,3616.18) 3507.08,3522.93
AD1: P3.3
BACK1: P4.4
BACK2: P4.3